# Altium PCB touch-tara-h-3 (final).PcbDoc (part 4 of 8)
Units mm, origin at the board's own origin, x right, y up, seen from the top; angles counter-clockwise.
Board outline 447.8 x 276.35 mm, 2 copper layers (Top Layer, Bottom Layer); 1040 components, 28 nets, 3254 pads, 0 vias.
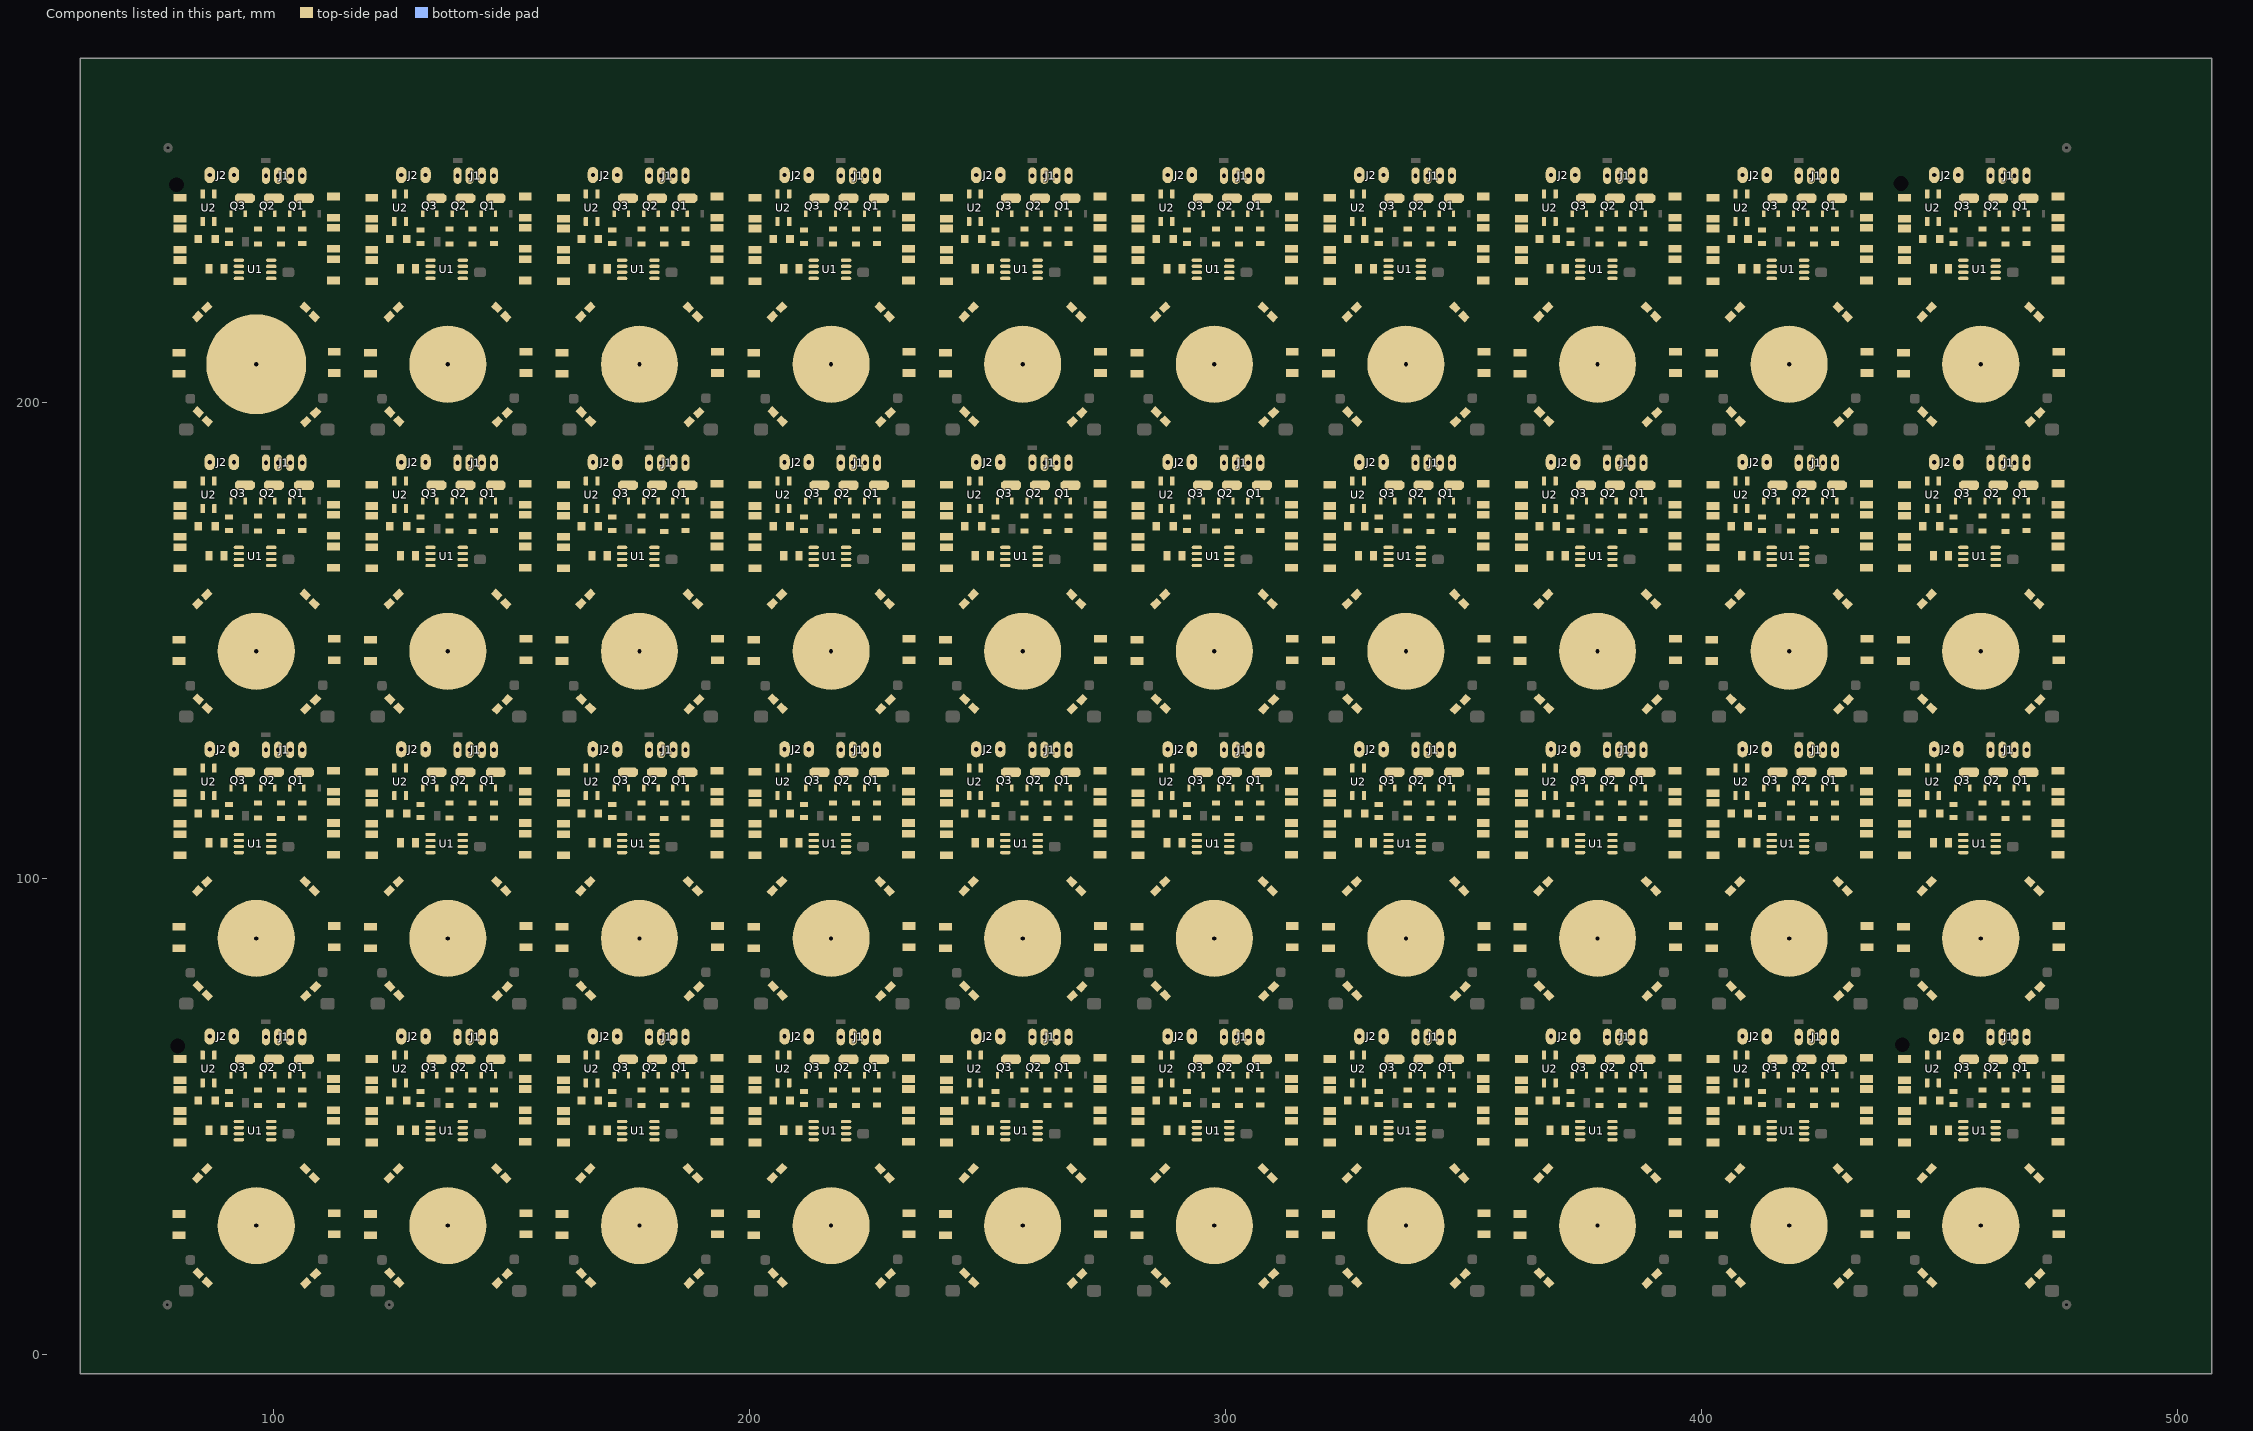
[diagram p4: the components of this part, seen from the top]

## Nets (pads, with @x,y where several pads share a name; then routed paths per layer and width w, separated by ;. In a path a pad name is that pad's centre, name@x,y a point inside that pad or via, vN(x,y) a via of type N, cw(c..) or ccw(c..) an arc to the next point about the centre after c; other vN are vias at no path point) (continued)
pads on no net: U2.1@125.394,177.694 U2.1@125.394,238.019 U2.1@165.653,57.044 U2.1@165.653,117.369 U2.1@165.653,177.694 U2.1@165.653,238.019 U2.1@205.912,57.044 U2.1@205.912,117.369 U2.1@205.912,177.694 U2.1@205.912,238.019 U2.1@246.171,57.044 U2.1@246.171,117.369 U2.1@246.171,177.694 U2.1@246.171,238.019 U2.1@286.43,57.044 U2.1@286.43,117.369 U2.1@286.43,177.694 U2.1@286.43,238.019 U2.1@326.689,57.044 U2.1@326.689,117.369 U2.1@326.689,177.694 U2.1@326.689,238.019 U2.1@366.948,57.044 U2.1@366.948,117.369 U2.1@366.948,177.694 U2.1@366.948,238.019 U2.1@407.207,57.044 U2.1@407.207,117.369 U2.1@407.207,177.694 U2.1@407.207,238.019 U2.1@447.466,57.044 U2.1@447.466,117.369 U2.1@447.466,177.694 U2.1@447.466,238.019 U2.2@87.585,117.369 U2.2@87.585,177.694 U2.2@87.585,238.019 U2.2@127.844,57.044 U2.2@127.844,117.369 U2.2@127.844,177.694 U2.2@127.844,238.019 U2.2@168.103,57.044 U2.2@168.103,117.369 U2.2@168.103,177.694 U2.2@168.103,238.019 U2.2@208.362,57.044 U2.2@208.362,117.369 U2.2@208.362,177.694 U2.2@208.362,238.019 U2.2@248.621,57.044 U2.2@248.621,117.369 U2.2@248.621,177.694 U2.2@248.621,238.019 U2.2@288.88,57.044 U2.2@288.88,117.369 U2.2@288.88,177.694 U2.2@288.88,238.019 U2.2@329.139,57.044 U2.2@329.139,117.369 U2.2@329.139,177.694 U2.2@329.139,238.019 U2.2@369.398,57.044 U2.2@369.398,117.369 U2.2@369.398,177.694 U2.2@369.398,238.019 U2.2@409.657,57.044 U2.2@409.657,117.369 U2.2@409.657,177.694 U2.2@409.657,238.019 U2.2@449.916,57.044 U2.2@449.916,117.369 U2.2@449.916,177.694 U2.2@449.916,238.019 U2.3@87.585,123.169 U2.3@87.585,183.494 U2.3@87.585,243.819 U2.3@127.844,62.844 U2.3@127.844,123.169 U2.3@127.844,183.494 U2.3@127.844,243.819 U2.3@168.103,62.844 U2.3@168.103,123.169 U2.3@168.103,183.494 U2.3@168.103,243.819 U2.3@208.362,62.844 U2.3@208.362,123.169 U2.3@208.362,183.494 U2.3@208.362,243.819 U2.3@248.621,62.844 U2.3@248.621,123.169 U2.3@248.621,183.494 U2.3@248.621,243.819 U2.3@288.88,62.844 U2.3@288.88,123.169 U2.3@288.88,183.494 U2.3@288.88,243.819 U2.3@329.139,62.844 U2.3@329.139,123.169 U2.3@329.139,183.494 U2.3@329.139,243.819 U2.3@369.398,62.844 U2.3@369.398,123.169 U2.3@369.398,183.494 U2.3@369.398,243.819 U2.3@409.657,62.844 U2.3@409.657,123.169 U2.3@409.657,183.494 U2.3@409.657,243.819 U2.3@449.916,62.844 U2.3@449.916,123.169 U2.3@449.916,183.494 U2.3@449.916,243.819 U2.4@85.135,123.169 U2.4@85.135,183.494 U2.4@85.135,243.819 U2.4@125.394,62.844 U2.4@125.394,123.169 U2.4@125.394,183.494 U2.4@125.394,243.819 U2.4@165.653,62.844 U2.4@165.653,123.169 U2.4@165.653,183.494 U2.4@165.653,243.819 U2.4@205.912,62.844 U2.4@205.912,123.169 U2.4@205.912,183.494 U2.4@205.912,243.819 U2.4@246.171,62.844 U2.4@246.171,123.169 U2.4@246.171,183.494 U2.4@246.171,243.819 U2.4@286.43,62.844 U2.4@286.43,123.169 U2.4@286.43,183.494 U2.4@286.43,243.819 U2.4@326.689,62.844 U2.4@326.689,123.169 U2.4@326.689,183.494 U2.4@326.689,243.819 U2.4@366.948,62.844 U2.4@366.948,123.169 U2.4@366.948,183.494 U2.4@366.948,243.819 U2.4@407.207,62.844 U2.4@407.207,123.169 U2.4@407.207,183.494 U2.4@407.207,243.819 U2.4@447.466,62.844 U2.4@447.466,123.169 U2.4@447.466,183.494 U2.4@447.466,243.819
copper on no net: | length 13525.3
  Top Layer w0.7: 89.615,107.442 89.615,107.192 90.015,106.792 90.313,106.792 90.425,106.68 92.739,106.68 92.749,106.67 94.588,106.67 95.377,105.881 ; 89.615,167.767 89.615,167.517 90.015,167.117 90.313,167.117 90.425,167.005 92.739,167.005 92.749,166.995 94.588,166.995 95.377,166.206 ; 89.615,228.092 89.615,227.842 90.015,227.442 90.313,227.442 90.425,227.33 92.739,227.33 92.749,227.32 94.588,227.32 95.377,226.531 ; 93.489,107.97 94.713,107.97 95.123,108.38 95.123,110.363 96.244,111.484 96.244,112.5 96.393,112.649 ; 93.489,168.295 94.713,168.295 95.123,168.705 95.123,170.688 96.244,171.809 96.244,172.825 96.393,172.974 ; 93.489,228.62 94.713,228.62 95.123,229.03 95.123,231.013 96.244,232.134 96.244,233.15 96.393,233.299 ; 97.409,107.95 98.789,107.95 ; 97.409,168.275 98.789,168.275 ; 97.409,228.6 98.789,228.6 ; 99.539,106.68 102.616,106.68 ; 99.539,167.005 102.616,167.005 ; 99.539,227.33 102.616,227.33 ; 129.874,47.117 129.874,46.867 130.274,46.467 130.572,46.467 130.684,46.355 132.998,46.355 133.008,46.345 134.847,46.345 135.636,45.556 ; 129.874,107.442 129.874,107.192 130.274,106.792 130.572,106.792 130.684,106.68 132.998,106.68 133.008,106.67 134.847,106.67 135.636,105.881 ; 129.874,167.767 129.874,167.517 130.274,167.117 130.572,167.117 130.684,167.005 132.998,167.005 133.008,166.995 134.847,166.995 135.636,166.206 ; 129.874,228.092 129.874,227.842 130.274,227.442 130.572,227.442 130.684,227.33 132.998,227.33 133.008,227.32 134.847,227.32 135.636,226.531 ; 133.748,47.645 134.972,47.645 135.382,48.055 135.382,50.038 136.503,51.159 136.503,52.175 136.652,52.324 ; 133.748,107.97 134.972,107.97 135.382,108.38 135.382,110.363 136.503,111.484 136.503,112.5 136.652,112.649 ; 133.748,168.295 134.972,168.295 135.382,168.705 135.382,170.688 136.503,171.809 136.503,172.825 136.652,172.974 ; 133.748,228.62 134.972,228.62 135.382,229.03 135.382,231.013 136.503,232.134 136.503,233.15 136.652,233.299 ; 137.668,47.625 139.048,47.625 ; 137.668,107.95 139.048,107.95 ; 137.668,168.275 139.048,168.275 ; 137.668,228.6 139.048,228.6 ; 139.798,46.355 142.875,46.355 ; 139.798,106.68 142.875,106.68 ; 139.798,167.005 142.875,167.005 ; 139.798,227.33 142.875,227.33 ; 170.133,47.117 170.133,46.867 170.533,46.467 170.831,46.467 170.943,46.355 173.257,46.355 173.267,46.345 175.106,46.345 175.895,45.556 ; 170.133,107.442 170.133,107.192 170.533,106.792 170.831,106.792 170.943,106.68 173.257,106.68 173.267,106.67 175.106,106.67 175.895,105.881 ; 170.133,167.767 170.133,167.517 170.533,167.117 170.831,167.117 170.943,167.005 173.257,167.005 173.267,166.995 175.106,166.995 175.895,166.206 ; 170.133,228.092 170.133,227.842 170.533,227.442 170.831,227.442 170.943,227.33 173.257,227.33 173.267,227.32 175.106,227.32 175.895,226.531 ; 174.007,47.645 175.231,47.645 175.641,48.055 175.641,50.038 176.762,51.159 176.762,52.175 176.911,52.324 ; 174.007,107.97 175.231,107.97 175.641,108.38 175.641,110.363 176.762,111.484 176.762,112.5 176.911,112.649 ; 174.007,168.295 175.231,168.295 175.641,168.705 175.641,170.688 176.762,171.809 176.762,172.825 176.911,172.974 ; 174.007,228.62 175.231,228.62 175.641,229.03 175.641,231.013 176.762,232.134 176.762,233.15 176.911,233.299 ; 177.927,47.625 179.307,47.625 ; 177.927,107.95 179.307,107.95 ; 177.927,168.275 179.307,168.275 ; 177.927,228.6 179.307,228.6 ; 180.057,46.355 183.134,46.355 ; 180.057,106.68 183.134,106.68 ; 180.057,167.005 183.134,167.005 ; 180.057,227.33 183.134,227.33 ; 210.392,47.117 210.392,46.867 210.792,46.467 211.09,46.467 211.202,46.355 213.516,46.355 213.526,46.345 215.365,46.345 216.154,45.556 ; 210.392,107.442 210.392,107.192 210.792,106.792 211.09,106.792 211.202,106.68 213.516,106.68 213.526,106.67 215.365,106.67 216.154,105.881 ; 210.392,167.767 210.392,167.517 210.792,167.117 211.09,167.117 211.202,167.005 213.516,167.005 213.526,166.995 215.365,166.995 216.154,166.206 ; 210.392,228.092 210.392,227.842 210.792,227.442 211.09,227.442 211.202,227.33 213.516,227.33 213.526,227.32 215.365,227.32 216.154,226.531 ; 214.266,47.645 215.49,47.645 215.9,48.055 215.9,50.038 217.021,51.159 217.021,52.175 217.17,52.324 ; 214.266,107.97 215.49,107.97 215.9,108.38 215.9,110.363 217.021,111.484 217.021,112.5 217.17,112.649 ; 214.266,168.295 215.49,168.295 215.9,168.705 215.9,170.688 217.021,171.809 217.021,172.825 217.17,172.974 ; 214.266,228.62 215.49,228.62 215.9,229.03 215.9,231.013 217.021,232.134 217.021,233.15 217.17,233.299 ; 218.186,47.625 219.566,47.625 ; 218.186,107.95 219.566,107.95 ; 218.186,168.275 219.566,168.275 ; 218.186,228.6 219.566,228.6 ; 220.316,46.355 223.393,46.355 ; 220.316,106.68 223.393,106.68 ; 220.316,167.005 223.393,167.005 ; 220.316,227.33 223.393,227.33 ; 250.651,47.117 250.651,46.867 251.051,46.467 251.349,46.467 251.461,46.355 253.775,46.355 253.785,46.345 255.624,46.345 256.413,45.556 ; 250.651,107.442 250.651,107.192 251.051,106.792 251.349,106.792 251.461,106.68 253.775,106.68 253.785,106.67 255.624,106.67 256.413,105.881 ; 250.651,167.767 250.651,167.517 251.051,167.117 251.349,167.117 251.461,167.005 253.775,167.005 253.785,166.995 255.624,166.995 256.413,166.206 ; 250.651,228.092 250.651,227.842 251.051,227.442 251.349,227.442 251.461,227.33 253.775,227.33 253.785,227.32 255.624,227.32 256.413,226.531 ; 254.525,47.645 255.749,47.645 256.159,48.055 256.159,50.038 257.28,51.159 257.28,52.175 257.429,52.324 ; 254.525,107.97 255.749,107.97 256.159,108.38 256.159,110.363 257.28,111.484 257.28,112.5 257.429,112.649 ; 254.525,168.295 255.749,168.295 256.159,168.705 256.159,170.688 257.28,171.809 257.28,172.825 257.429,172.974 ; 254.525,228.62 255.749,228.62 256.159,229.03 256.159,231.013 257.28,232.134 257.28,233.15 257.429,233.299 ; 258.445,47.625 259.825,47.625 ; 258.445,107.95 259.825,107.95 ; 258.445,168.275 259.825,168.275 ; 258.445,228.6 259.825,228.6 ; 260.575,46.355 263.652,46.355 ; 260.575,106.68 263.652,106.68 ; 260.575,167.005 263.652,167.005 ; 260.575,227.33 263.652,227.33 ; 290.91,47.117 290.91,46.867 291.31,46.467 291.608,46.467 291.72,46.355 294.034,46.355 294.044,46.345 295.883,46.345 296.672,45.556 ; 290.91,107.442 290.91,107.192 291.31,106.792 291.608,106.792 291.72,106.68 294.034,106.68 294.044,106.67 295.883,106.67 296.672,105.881 ; 290.91,167.767 290.91,167.517 291.31,167.117 291.608,167.117 291.72,167.005 294.034,167.005 294.044,166.995 295.883,166.995 296.672,166.206 ; 290.91,228.092 290.91,227.842 291.31,227.442 291.608,227.442 291.72,227.33 294.034,227.33 294.044,227.32 295.883,227.32 296.672,226.531 ; 294.784,47.645 296.008,47.645 296.418,48.055 296.418,50.038 297.539,51.159 297.539,52.175 297.688,52.324 ; 294.784,107.97 296.008,107.97 296.418,108.38 296.418,110.363 297.539,111.484 297.539,112.5 297.688,112.649 ; 294.784,168.295 296.008,168.295 296.418,168.705 296.418,170.688 297.539,171.809 297.539,172.825 297.688,172.974 ; 294.784,228.62 296.008,228.62 296.418,229.03 296.418,231.013 297.539,232.134 297.539,233.15 297.688,233.299 ; 298.704,47.625 300.084,47.625 ; 298.704,107.95 300.084,107.95 ; 298.704,168.275 300.084,168.275 ; 298.704,228.6 300.084,228.6 ; 300.834,46.355 303.911,46.355 ; 300.834,106.68 303.911,106.68 ; 300.834,167.005 303.911,167.005 ; 300.834,227.33 303.911,227.33 ; 331.169,47.117 331.169,46.867 331.569,46.467 331.867,46.467 331.979,46.355 334.293,46.355 334.303,46.345 336.142,46.345 336.931,45.556 ; 331.169,107.442 331.169,107.192 331.569,106.792 331.867,106.792 331.979,106.68 334.293,106.68 334.303,106.67 336.142,106.67 336.931,105.881 ; 331.169,167.767 331.169,167.517 331.569,167.117 331.867,167.117 331.979,167.005 334.293,167.005 334.303,166.995 336.142,166.995 336.931,166.206 ; 331.169,228.092 331.169,227.842 331.569,227.442 331.867,227.442 331.979,227.33 334.293,227.33 334.303,227.32 336.142,227.32 336.931,226.531 ; 335.043,47.645 336.267,47.645 336.677,48.055 336.677,50.038 337.798,51.159 337.798,52.175 337.947,52.324 ; 335.043,107.97 336.267,107.97 336.677,108.38 336.677,110.363 337.798,111.484 337.798,112.5 337.947,112.649 ; 335.043,168.295 336.267,168.295 336.677,168.705 336.677,170.688 337.798,171.809 337.798,172.825 337.947,172.974 ; 335.043,228.62 336.267,228.62 336.677,229.03 336.677,231.013 337.798,232.134 337.798,233.15 337.947,233.299 ; 338.963,47.625 340.343,47.625 ; 338.963,107.95 340.343,107.95 ; 338.963,168.275 340.343,168.275 ; 338.963,228.6 340.343,228.6 ; 341.093,46.355 344.17,46.355 ; 341.093,106.68 344.17,106.68 ; 341.093,167.005 344.17,167.005 ; 341.093,227.33 344.17,227.33 ; 371.428,47.117 371.428,46.867 371.828,46.467 372.126,46.467 372.238,46.355 374.552,46.355 374.562,46.345 376.401,46.345 377.19,45.556 ; 371.428,107.442 371.428,107.192 371.828,106.792 372.126,106.792 372.238,106.68 374.552,106.68 374.562,106.67 376.401,106.67 377.19,105.881 ; 371.428,167.767 371.428,167.517 371.828,167.117 372.126,167.117 372.238,167.005 374.552,167.005 374.562,166.995 376.401,166.995 377.19,166.206 ; 371.428,228.092 371.428,227.842 371.828,227.442 372.126,227.442 372.238,227.33 374.552,227.33 374.562,227.32 376.401,227.32 377.19,226.531 ; 375.302,47.645 376.526,47.645 376.936,48.055 376.936,50.038 378.057,51.159 378.057,52.175 378.206,52.324 ; 375.302,107.97 376.526,107.97 376.936,108.38 376.936,110.363 378.057,111.484 378.057,112.5 378.206,112.649 ; 375.302,168.295 376.526,168.295 376.936,168.705 376.936,170.688 378.057,171.809 378.057,172.825 378.206,172.974 ; 375.302,228.62 376.526,228.62 376.936,229.03 376.936,231.013 378.057,232.134 378.057,233.15 378.206,233.299 ; 379.222,47.625 380.602,47.625 ; 379.222,107.95 380.602,107.95 ; 379.222,168.275 380.602,168.275 ; 379.222,228.6 380.602,228.6 ; 381.352,46.355 384.429,46.355 ; 381.352,106.68 384.429,106.68 ; 381.352,167.005 384.429,167.005 ; 381.352,227.33 384.429,227.33 ; 411.687,47.117 411.687,46.867 412.087,46.467 412.385,46.467 412.497,46.355 414.811,46.355 414.821,46.345 416.66,46.345 417.449,45.556 ; 411.687,107.442 411.687,107.192 412.087,106.792 412.385,106.792 412.497,106.68 414.811,106.68 414.821,106.67 416.66,106.67 417.449,105.881 ; 411.687,167.767 411.687,167.517 412.087,167.117 412.385,167.117 412.497,167.005 414.811,167.005 414.821,166.995 416.66,166.995 417.449,166.206 ; 411.687,228.092 411.687,227.842 412.087,227.442 412.385,227.442 412.497,227.33 414.811,227.33 414.821,227.32 416.66,227.32 417.449,226.531 ; 415.561,47.645 416.785,47.645 417.195,48.055 417.195,50.038 418.316,51.159 418.316,52.175 418.465,52.324 ; 415.561,107.97 416.785,107.97 417.195,108.38 417.195,110.363 418.316,111.484 418.316,112.5 418.465,112.649 ; 415.561,168.295 416.785,168.295 417.195,168.705 417.195,170.688 418.316,171.809 418.316,172.825 418.465,172.974 ; 415.561,228.62 416.785,228.62 417.195,229.03 417.195,231.013 418.316,232.134 418.316,233.15 418.465,233.299 ; 419.481,47.625 420.861,47.625 ; 419.481,107.95 420.861,107.95 ; 419.481,168.275 420.861,168.275 ; 419.481,228.6 420.861,228.6 ; 421.611,46.355 424.688,46.355 ; 421.611,106.68 424.688,106.68 ; 421.611,167.005 424.688,167.005 ; 421.611,227.33 424.688,227.33 ; 451.946,47.117 451.946,46.867 452.346,46.467 452.644,46.467 452.756,46.355 455.07,46.355 455.08,46.345 456.919,46.345 457.708,45.556 ; 451.946,107.442 451.946,107.192 452.346,106.792 452.644,106.792 452.756,106.68 455.07,106.68 455.08,106.67 456.919,106.67 457.708,105.881 ; 451.946,167.767 451.946,167.517 452.346,167.117 452.644,167.117 452.756,167.005 455.07,167.005 455.08,166.995 456.919,166.995 457.708,166.206 ; 451.946,228.092 451.946,227.842 452.346,227.442 452.644,227.442 452.756,227.33 455.07,227.33 455.08,227.32 456.919,227.32 457.708,226.531 ; 455.82,47.645 457.044,47.645 457.454,48.055 457.454,50.038 458.575,51.159 458.575,52.175 458.724,52.324 ; 455.82,107.97 457.044,107.97 457.454,108.38 457.454,110.363 458.575,111.484 458.575,112.5 458.724,112.649 ; 455.82,168.295 457.044,168.295 457.454,168.705 457.454,170.688 458.575,171.809 458.575,172.825 458.724,172.974 ; 455.82,228.62 457.044,228.62 457.454,229.03 457.454,231.013 458.575,232.134 458.575,233.15 458.724,233.299 ; 459.74,47.625 461.12,47.625 ; 459.74,107.95 461.12,107.95 ; 459.74,168.275 461.12,168.275 ; 459.74,228.6 461.12,228.6 ; 461.87,46.355 464.947,46.355 ; 461.87,106.68 464.947,106.68 ; 461.87,167.005 464.947,167.005 ; 461.87,227.33 464.947,227.33